# Altium PCB Fornello.PcbDoc (part 2 of 2)
Units mm, origin at the board's own origin, x right, y up, seen from the top; angles counter-clockwise.
Board outline 100.06 x 100.02 mm, 2 copper layers (Top Layer, Bottom Layer); 286 components, 164 nets, 810 pads, 343 vias.
Unrouted connection lines stored in the file: 100.
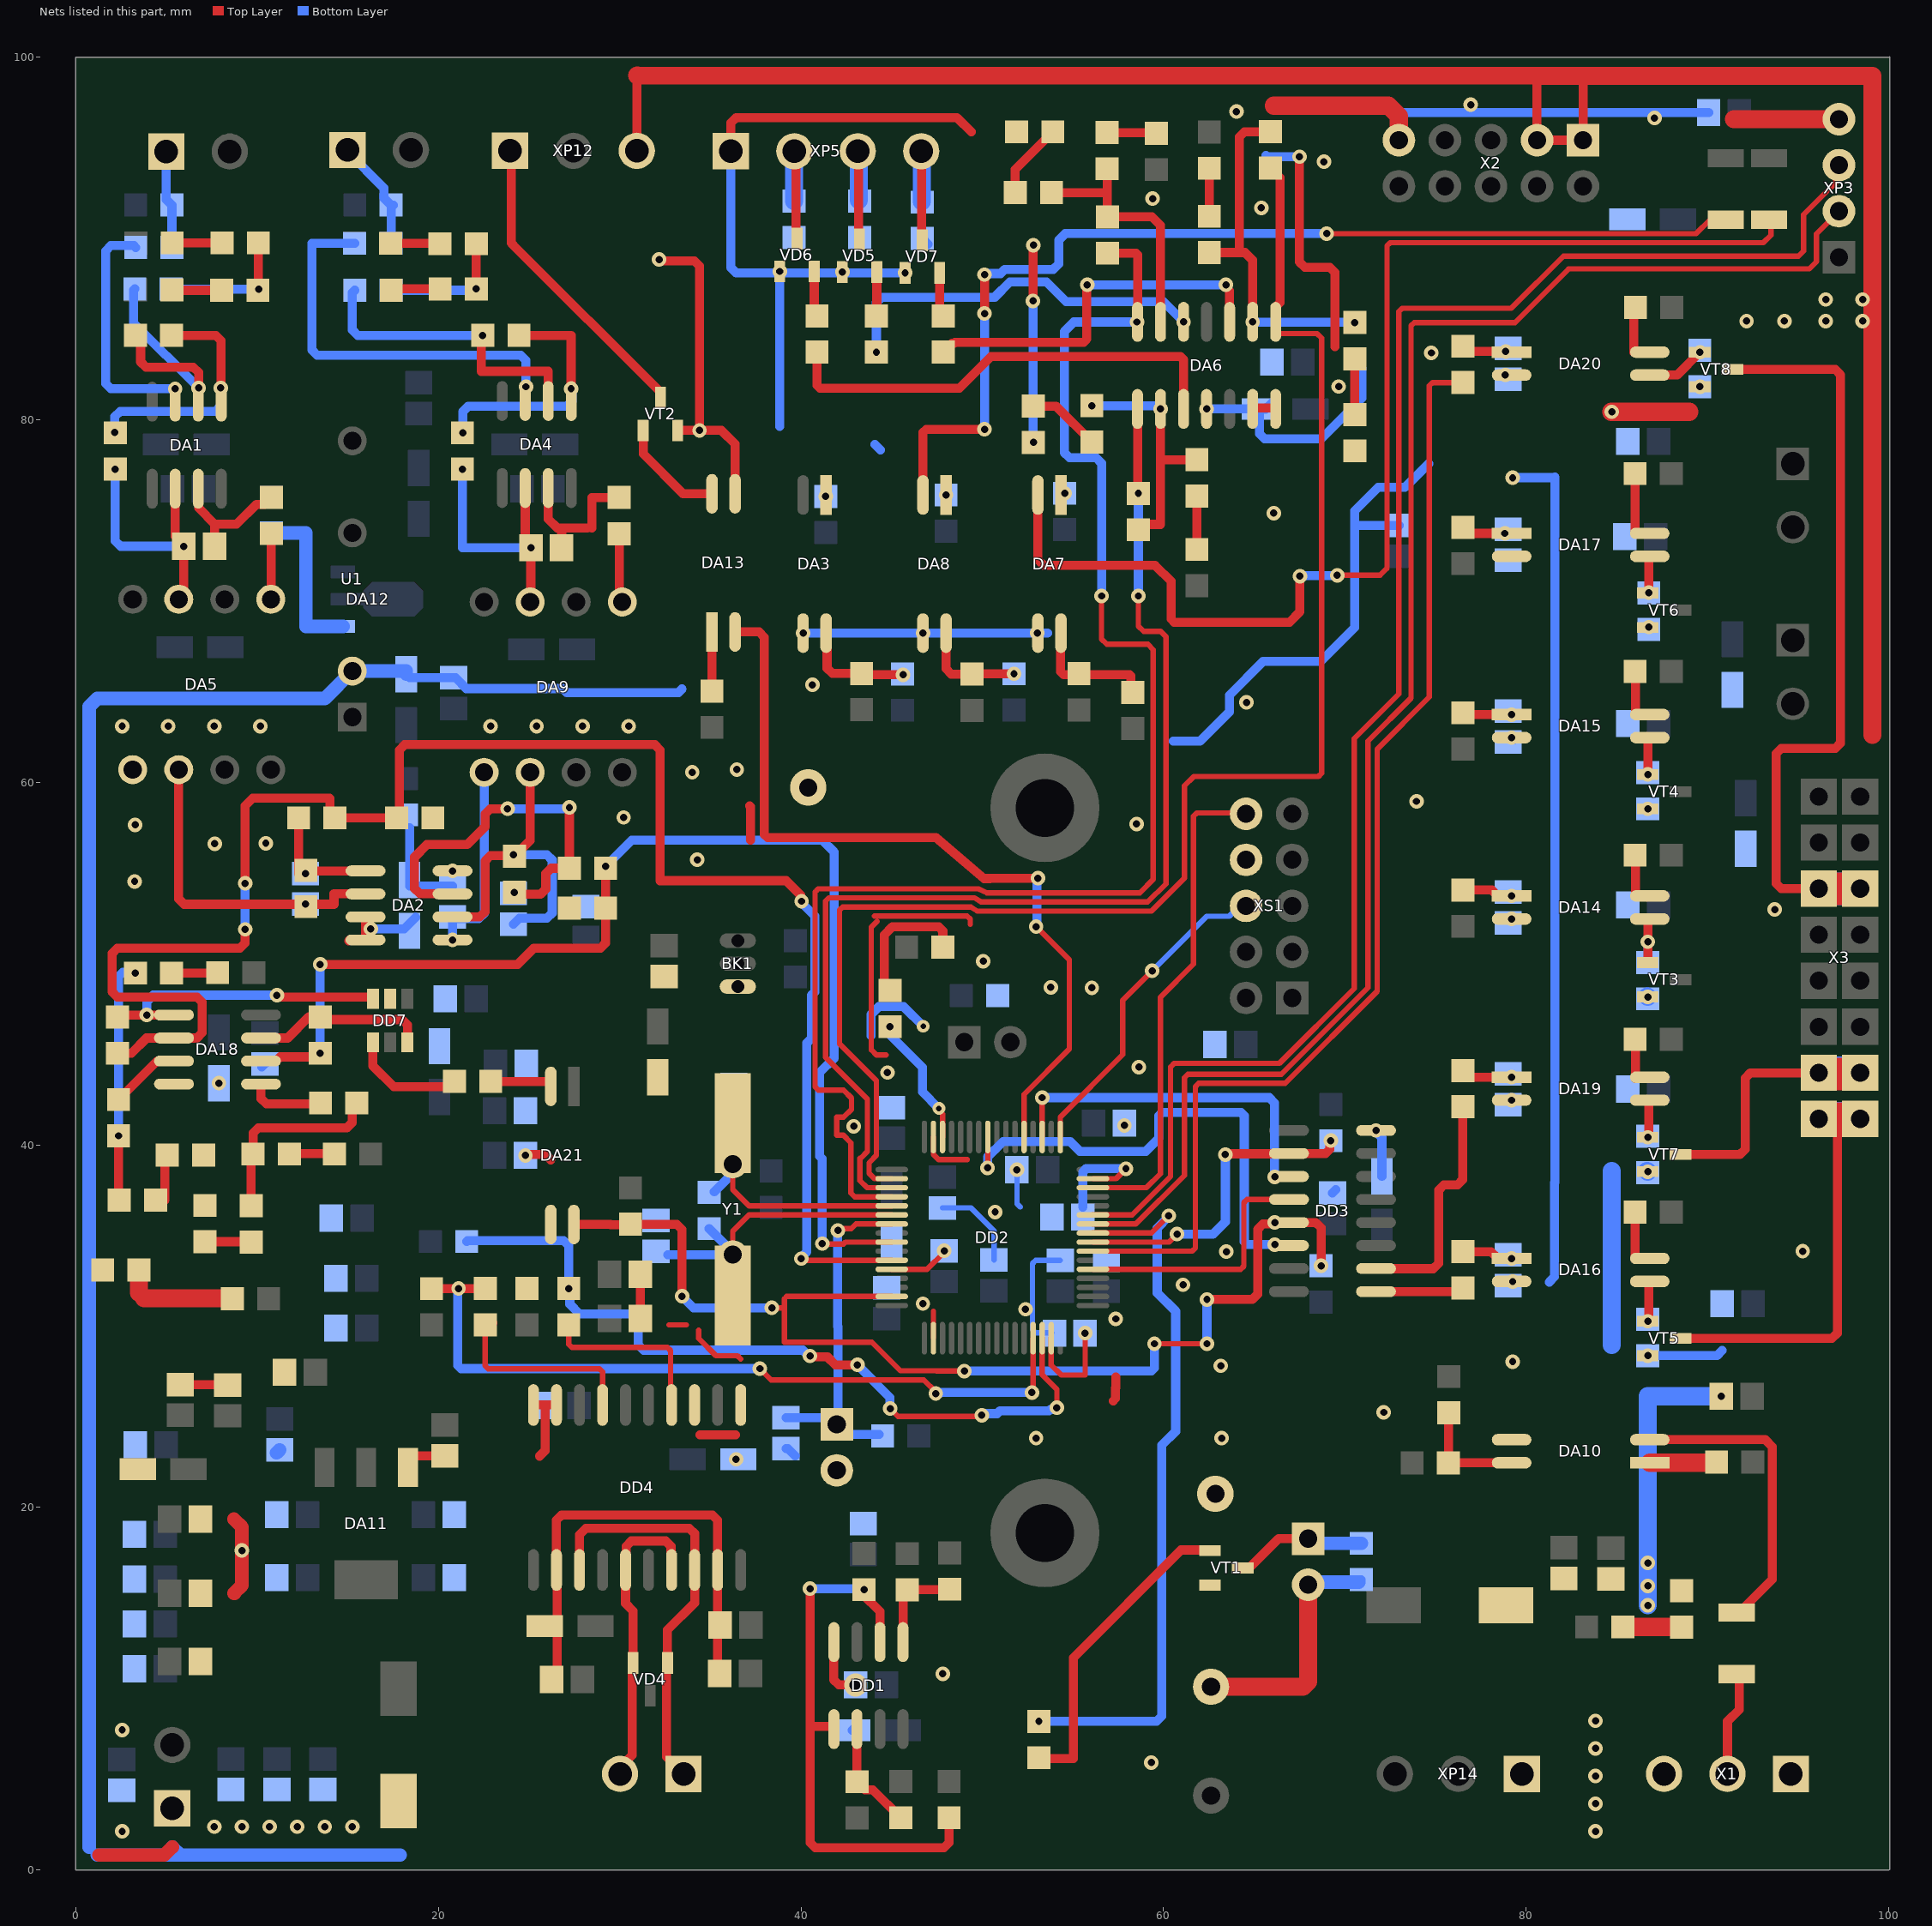
[diagram p2: the nets of this part, all layers, seen from the top]

## Via types
v1: diameter 0.8, hole 0.4, Top Layer to Bottom Layer, tented both sides, 184 vias
v2: diameter 0.8, hole 0.4, Top Layer to Bottom Layer, 148 vias
v3: diameter 1.27, hole 0.711, Top Layer to Bottom Layer, 3 vias
v4: diameter 1, hole 0.5, Top Layer to Bottom Layer, tented both sides, 3 vias
v5: diameter 2, hole 1, Top Layer to Bottom Layer, 1 vias
v6: diameter 0.7, hole 0.3, Top Layer to Bottom Layer, 1 vias
v7: diameter 2, hole 1, Top Layer to Bottom Layer, tented bottom, 1 vias
v8: diameter 0.7, hole 0.3, Top Layer to Bottom Layer, tented both sides, 1 vias
v9: diameter 1.5, hole 0.8, Top Layer to Bottom Layer, 1 vias

## Nets (pads, with @x,y where several pads share a name; then routed paths per layer and width w, separated by ;. In a path a pad name is that pad's centre, name@x,y a point inside that pad or via, vN(x,y) a via of type N, cw(c..) or ccw(c..) an arc to the next point about the centre after c; other vN are vias at no path point) (continued)
GND: BK1.1 C3.2 C5.2 C6.2 C7.2 C8.2 C11.2 C13.2 C14.2 C15.2 C16.2 C17.2 C18.1 C19.2 C20.2 C21.2 C22.2 C23.2 C24.1 C25.2 C26.1 C27.2 C32.2 C33.2 C36.1 C37.1 C38.1 C39.1 C40.1 C41.1 C42.1 C43.1 C44.1 C45.2 C46.2 C47.2 C48.2 C49.2 C50.2 C51.2 C52.2 C53.2 C58.2 C59.2 C60.2 C65.2 C66.2 C67.2 C68.2 C69.2 C78.1 C79.1 C80.1 C81.1 C82.1 C83.1 C84.1 C85.1 C86.1 C87.1 C88.1 C89.1 C90.1 C91.1 C92.1 C93.1 C94.1 C95.1 C96.1 C97.2 C98.2 C99.2 C101.2 C119.2 C120.2 C121.2 C123.2 DA2.3 DA2.4 DA2.5 DA3.3 DA5.5 DA6.11 DA7.3 DA8.3 DA9.5 DA10.3 DA11.1 DA14.2 DA15.2 DA16.2 DA17.2 DA18.4 DA19.2 DA20.2 DA21.3 DD1.4 DD2.12 DD2.18 DD2.63 DD3.8 DD4.1 DD4.3 DD4.9 DD4.10 DD7.2 pad.2 pad.3 R25.1 R31.1 R48.1 R51.1 R68.2 R87.1 R96.2 R98.1 R106.1 R107.1 R108.1 R114.1 R115.1 U1.2 VD5.1 VD6.1 VD7.1 VT1.2 X2.9 XP3.4 XP5.1 XP6.2 XP13.1 XS1.8 | length 411.6
  Top Layer w0.3: C65.2@31.131,30.178 C65.2@31.232,30.076 ; 32.733,30.076 33.667,30.076 ; 34.357,29.771 34.357,29.336 35.318,28.374 36.499,28.374 36.675,28.198 ; 44.059,52.631 49.167,52.631 49.343,52.455 49.343,52.174 ; 44.192,52.334 43.882,52.024 43.882,45.24 44.161,44.96 44.694,44.96 ; DD2.12@45.008,33.141 46.956,33.141 47.904,34.089 v1(47.904,34.165) ; DD2.18@47.308,29.341 47.308,30.827 ; DD2.63@47.308,40.441 47.308,39.472 47.589,39.191 49.176,39.191
  Top Layer w0.5: C78.1@5.756,26.786 5.769,26.773 8.36,26.773 C79.1@8.372,26.76 ; R98.1@7.045,36.747 R98.1@7.128,36.664 ; v1@7.842,43.36 v1(7.89,43.408) ; DA2.4@15.063,51.264 15.09,51.291 15.961,51.291 DA2.4@15.98,51.31 DA2.3@15.98,52.58 ; DA11.1@18.316,22.204 18.316,22.551 18.616,22.851 C80.1@20.361,22.851 C80.1@20.375,22.837 ; R68.2@24.842,32.118 R68.2@24.882,32.078 ; v2@24.842,39.383 v2(24.802,39.423) 24.853,39.474 25.91,39.474 26.203,39.181 ; DD4.10@25.245,25.654 25.88,25.654 ; 25.587,22.837 25.88,23.13 25.88,25.654 ; DD4.9@26.515,25.654 25.88,25.654 ; R51.1@26.934,52.772 R51.1@27.227,53.065 ; C65.2@31.131,30.178 31.131,32.794 C59.2@31.436,33.099 ; C33.2@32.452,49.292 C33.2@32.552,49.292 ; DD4.3@34.123,25.642 DD4.3@34.135,25.654 ; 34.424,24.005 36.382,24.005 ; XP5.1@36.135,94.821 36.135,96.382 36.428,96.675 48.606,96.675 49.393,95.887 ; DD4.1@36.656,25.635 DD4.1@36.675,25.654 ; 37.176,58.702 37.227,58.651 37.227,56.806 ; DD1.4@41.82,12.577 41.801,12.558 41.801,11.008 41.799,11.006 41.799,10.506 42.092,10.213 v3(43.018,10.213) ; v2(52.797,86.566) 52.81,86.578 52.81,89.626 v2(52.822,89.639) ; 57.227,25.879 57.357,26.01 57.357,26.593 57.369,26.604 57.369,27.206 ; v2(67.504,94.516) 67.504,88.713 67.796,88.42 69.167,88.42 69.459,88.127 69.459,84.037 ; v1(78.857,82.476) 79.195,82.476 DA20.2@79.264,82.407 ; DA10.3@79.206,23.739 DA10.3@79.264,23.797
  Top Layer w0.75: 1.268,0.829 4.876,0.829 5.316,1.268 ; 8.72,19.357 9.16,18.918 v1(9.16,17.63) 9.16,15.707 8.72,15.268 8.753,15.268 ; U1.2@15.23,66.144 U1.2@15.25,66.144 ; C101.2@17.645,3.66 C101.2@17.796,3.811 C101.2@17.822,3.838
  Top Layer w1: 66.081,97.335 72.4,97.335 72.986,96.749 X2.9@72.986,95.427 ; 91.464,96.591 XP3.4@97.268,96.591
  Bottom Layer w0.3: C19.2@47.802,36.529 49.375,36.529 50.647,35.258 C21.2@50.647,33.657 ; v1(51.919,38.636) 51.919,36.754 52.095,36.578 ; C15.2@53.837,29.644 52.946,29.644 52.77,29.82 52.77,33.454 52.946,33.63 C22.2@54.305,33.63
  Bottom Layer w0.5: C120.2@10.264,44.3 C120.2@10.43,44.466 ; v2(16.272,51.92) 18.11,51.92 C23.2@18.755,52.565 ; C27.2@18.228,65.966 18.419,65.775 20.944,65.775 21.544,65.175 26.872,65.175 27.085,64.961 33.25,64.961 33.442,65.153 ; C24.1@20.765,52.565 C24.1@20.78,52.58 ; v1(20.78,51.31) 20.78,52.479 22.231,52.479 22.524,52.772 DA9.5@22.524,60.556 ; XP5.1@36.135,94.821 36.135,88.403 36.428,88.111 v2@38.832,88.111 ; 38.831,79.635 38.832,79.636 v2@38.832,88.111 ; v2(38.832,88.191) v2@38.832,88.111 ; C17.2@39.173,23.257 39.273,23.257 C17.2@39.673,22.857 ; v2(40.119,68.237) 40.131,68.249 v2(53.039,68.249) 53.6,68.249 ; C3.2@42.831,7.71 C3.2@43.018,7.897 ; 43.856,46.025 43.856,47.183 44.301,47.627 45.667,47.627 v6(46.746,46.549) ; 44.085,78.641 44.39,78.336 ; v2(45.746,88.111) v2@38.832,88.111 ; R114.1@46.696,90.011 R114.1@47.01,89.696 ; C18.1@47.853,34.216 v1(47.904,34.165) ; v2@52.765,89.696 v2(52.822,89.639) ; v2(52.797,86.566) 52.81,86.553 52.81,78.771 v2(52.822,78.758) ; 60.551,62.269 62.002,62.269 63.633,63.899 63.633,64.81 65.498,66.676 68.686,66.676 70.552,68.542 70.552,74.982 71.854,76.285 73.323,76.285 74.626,77.587 ; v2(62.378,80.606) 62.383,80.601 65.309,80.601 C7.2@65.313,80.597 ; XS1.8@64.405,55.882 XS1.8@64.557,55.73 ; 65.649,94.592 65.726,94.516 v2(67.504,94.516) ; C7.2@65.981,80.947 65.631,80.597 C7.2@65.313,80.597 ; C6.2@69.325,37.357 C6.2@69.512,37.544 ; 70.806,74.17 70.817,74.182 C88.1@73,74.182 ; 70.956,82.828 70.956,81.203 68.707,78.954 65.587,78.954 65.294,79.247 65.294,80.577 C7.2@65.313,80.597 ; v2(71.725,40.802) 71.725,40.72 72.048,40.397 C5.2@72.048,38.276 ; X2.9@72.986,95.427 72.986,96.661 73.279,96.954 C85.1@90.072,96.954 ; C67.2@78.832,72.443 C67.2@78.908,72.519 ; v1(79.206,42.469) C68.2@79.208,42.471 ; v1(79.206,52.469) C52.2@79.272,52.403 ; v1(79.206,62.469) C53.2@79.315,62.359 ; v1(79.264,32.464) C66.2@79.289,32.438 ; v1(79.264,76.812) 81.575,76.812 81.601,76.837 81.601,62.369 81.601,37.931 81.575,37.906 81.575,32.731 81.282,32.438
  Bottom Layer w0.75: 0.741,1.268 0.741,64.188 1.18,64.628 13.733,64.628 U1.2@15.25,66.144 18.228,66.144 C27.2@18.228,65.966 ; 1.18,0.829 5.755,0.829 ; 5.316,1.268 5.755,0.829 ; C25.2@11.078,23.017 C25.2@11.243,23.181 ; 17.897,0.829 5.755,0.829
  other v1: 2.556,2.136 7.636,2.39 9.16,2.39 10.684,2.39 12.208,2.39 13.732,2.39 15.256,2.39 2.556,7.724 36.419,22.659 79.264,28.044 3.242,54.536 3.267,57.66 30.216,58.067 2.556,63.096 5.096,63.096 7.636,63.096 10.176,63.096 22.876,63.096 25.416,63.096 27.956,63.096 30.496,63.096
  other v2: 59.325,5.928 47.819,10.823 52.975,23.828 63.211,23.828 72.152,25.25 63.16,27.815 57.369,30.406 52.391,30.94 46.726,31.244 61.077,32.286 63.465,34.115 50.714,36.299 42.912,41.029 57.845,41.076 44.771,43.995 58.639,44.3 56.048,48.669 53.788,48.694 50.054,50.142 34.28,55.73 7.661,56.619 10.481,56.644 58.512,57.711 73.955,58.956 34.001,60.556 36.465,60.708 64.583,64.417 40.63,65.382 46.735,68.237 66.081,74.856 69.663,81.841 74.776,83.695 42.285,88.161 65.395,91.696 59.401,92.204 87.087,96.649 64.024,97.005 76.952,97.386
  other v5: 62.865,20.752
  other v7: 40.402,59.718
GND12V: C107.2 C108.2 C109.2 C110.2 C111.2 C112.2 C113.2 C114.2 C115.2 C116.2 C117.2 C118.2 DA13.3 R66.1 R67.1 R74.1 R75.1 R88.1 R89.1 R99.2 VT2.2 VT3.2 VT4.2 VT5.2 VT6.2 VT7.2 VT8.2 X1.1 X1.3 X2.1 X2.3 XP12.3 XP14.1 | length 173.7
  Top Layer w0.5: XP12.3@30.946,94.842 30.946,98.97 30.978,99.002 ; v2(32.172,88.852) 32.23,88.794 32.442,88.794 32.461,88.775 34.112,88.775 34.405,88.483 v2(34.405,79.417) ; VT2.2@33.198,79.417 v2(34.405,79.417) ; DA13.3@36.363,75.923 36.363,78.666 35.612,79.417 v2(34.405,79.417) ; 80.788,98.981 80.606,98.799 X2.3@80.606,95.427 X2.1@83.146,95.427 83.146,98.866 83.259,98.98
  Top Layer w1: 30.978,99.002 80.788,98.981 83.259,98.98 99.101,98.973 99.101,62.613 ; C118.2@78.894,14.604 79.266,14.604 C118.2@79.766,14.104 ; C109.2@82.025,16.015 C109.2@82.093,16.082 ; C110.2@84.684,16.069 C110.2@84.735,16.018 ; v1@84.709,80.444 v1(84.735,80.444) 89.005,80.444
  Bottom Layer w0.5: X2.3@80.606,95.427 X2.1@83.146,95.427 ; v1(86.716,28.374) 90.526,28.374 90.819,28.667
  Bottom Layer w1: XP14.1@79.766,5.304 XP14.1@79.807,5.345 ; 84.725,28.96 84.725,38.561 ; R88.1@86.679,38.561 v1(86.716,38.524) ; R66.1@86.695,48.186 v1(86.716,48.166) ; v1(86.716,14.604) v1(86.716,15.674) v1(86.716,16.944) 86.716,26.139 v1(90.768,26.139)
  other v1: 83.836,2.136 83.836,3.66 83.836,5.184 83.836,6.708 83.836,8.232 86.716,58.539 86.771,68.572 89.591,81.831 92.167,85.448 94.25,85.448 96.536,85.448 98.568,85.448 96.536,86.642 98.568,86.642
  other v2: 95.266,34.14 93.716,52.987 68.85,94.236
Gr_rl: VT5.3 X3.1 X3.2 | length 25
  Top Layer w0.5: VT5.3@88.516,29.324 96.878,29.324 97.171,29.617 97.171,41.252
  Top Layer w1.8: X3.1@96.148,41.44 X3.2@98.434,41.44
  Bottom Layer w1.8: X3.1@96.173,41.465 X3.2@98.459,41.465
Grill: DD3.1 R71.1 | length 4.4
  Top Layer w0.5: DD3.1@72.101,31.912 R71.1@76.516,31.912
Idown: R107.2 VD6.3 XP5.2 | length 7.7
  Top Layer w0.5: XP5.2@39.635,94.821 39.732,94.723 39.732,90.041 VD6.3@39.782,89.991
  Bottom Layer w0.5: R107.2@39.616,92.061 R107.2@39.625,92.071 ; XP5.2@39.625,94.811 XP5.2@39.635,94.821
  Bottom Layer w1: R107.2@39.625,92.071 XP5.2@39.625,94.811
Igrl: R106.2 VD5.3 XP5.3 | length 7.7
  Top Layer w0.5: XP5.3@43.135,94.821 43.185,94.771 43.185,90.011 VD5.3@43.235,89.961
  Bottom Layer w0.5: XP5.3@43.135,94.821 XP5.3@43.185,94.771 ; R106.2@43.185,92.111 R106.2@43.235,92.061
  Bottom Layer w1: R106.2@43.185,92.111 XP5.3@43.185,94.771
Iodown: DA6.8 DD2.3 R102.2 | length 65
  Top Layer w0.3: 43.258,39.261 43.258,38.041 43.658,37.641 DD2.3@45.008,37.641 ; 43.291,39.261 43.662,39.632 43.662,42.539 41.367,44.833 41.367,53.455 41.455,53.543 41.543,53.631 49.581,53.631 49.936,53.401 50.053,53.401 59.13,53.401 60.138,54.409 60.138,68.036 59.845,68.328 58.906,68.328 58.614,68.621 v2(58.614,70.284)
  Top Layer w0.5: R102.2@58.568,75.942 DA6.8@58.568,80.606
  Bottom Layer w0.5: v2@58.614,70.462 v2(58.614,75.942)
Iogrl: DA6.7 DD2.4 R12.2 | length 84.8
  Top Layer w0.3: DD2.4@45.008,37.141 42.967,37.141 42.758,37.349 42.758,40.122 42.339,40.541 41.977,40.541 41.977,41.529 42.35,41.529 42.789,41.968 42.789,42.589 42.35,43.029 40.959,43.029 40.783,43.204 40.783,53.955 40.871,54.043 40.959,54.131 49.788,54.131 50.26,53.901 58.69,53.901 59.438,54.649 59.438,67.324 59.145,67.617 56.874,67.617 56.582,67.91 v2(56.582,70.284)
  Top Layer w0.5: R12.2@56.912,89.198 58.477,89.198 58.568,89.107 DA6.7@58.568,85.406
  Bottom Layer w0.5: v2(56.582,70.284) 56.582,77.611 56.289,77.904 54.817,77.904 54.524,78.197 54.524,84.864 55.059,85.398 v2(58.537,85.398)
Ioright: DA6.1 DD2.2 R110.2 | length 85.7
  Top Layer w0.3: 43.758,39.017 43.758,38.434 44.051,38.141 DD2.2@45.008,38.141 ; 43.791,39.054 44.162,39.425 44.162,43.544 42.129,45.576 42.129,52.955 42.217,53.043 42.305,53.131 49.374,53.131 49.729,52.901 59.337,52.901 61.159,54.723 61.159,59.811 61.675,60.327 68.547,60.327 68.723,60.503 68.723,84.508 68.468,84.763 66.327,84.763 66.188,84.902 DA6.1@66.188,85.406
  Top Layer w0.5: R110.2@65.903,93.897 66.437,93.363 66.437,86.481 66.188,86.233 DA6.1@66.188,85.406
Iright: R114.2 VD7.3 XP5.4 | length 7.8
  Top Layer w0.5: XP5.4@46.635,94.821 46.665,94.79 46.665,89.941 VD7.3@46.696,89.911
  Bottom Layer w0.5: XP5.4@46.635,94.821 XP5.4@46.665,94.79 ; R114.2@46.665,92.041 R114.2@46.696,92.011
  Bottom Layer w1: R114.2@46.665,92.041 XP5.4@46.665,94.79
latch: DD2.37 DD3.12 | length 14.5
  Top Layer w0.3: DD2.37@56.108,33.141 64.254,33.141 64.43,33.317 64.43,36.816 64.606,36.992 DD3.12@66.925,36.992
Led: DD2.62 HL1.2 | length 7.3
  Top Layer w0.3: v8(47.608,42.014) 47.608,41.906 47.808,41.706 DD2.62@47.808,40.441
  Bottom Layer w0.5: v2(44.914,46.526) 44.971,46.468 44.971,46.004 46.701,44.275 46.701,42.921 v8(47.608,42.014)
Light: DD2.39 R83.1 | length 63.4
  Top Layer w0.3: DD2.39@56.108,34.141 61.587,34.141 61.763,34.317 61.763,43.227 61.939,43.403 66.712,43.403 71.788,48.479 71.788,61.837 74.666,64.715 74.666,81.885 74.842,82.06 R83.1@76.516,82.06
Lt_rl: VT8.3 X3.11 X3.12 | length 44.5
  Top Layer w0.5: VT8.3@91.329,82.731 91.379,82.781 VT8.3@91.391,82.781 97.056,82.781 97.349,82.488 97.349,62.17 97.056,61.877 94.085,61.877 93.793,61.584 93.793,54.433 94.085,54.14 X3.11@96.148,54.14
  Top Layer w1.8: X3.11@96.148,54.14 X3.12@98.434,54.14
  Bottom Layer w1.8: X3.11@96.148,54.14 X3.12@98.434,54.14
Mode: DA18.6 DD2.9 R45.2 R51.2 R93.1 | length 68.2
  Top Layer w0.3: v2(41.178,34.558) 41.203,34.533 42.351,34.533 42.46,34.641 DD2.9@45.008,34.641
  Top Layer w0.5: DA18.6@10.214,44.63 11.041,44.63 11.269,44.859 13.275,44.859 v1(13.478,45.062) ; v1@13.351,49.964 v1(13.478,49.964) 24.374,49.964 25.264,50.854 28.934,50.854 29.227,51.147 R51.2@29.227,53.065 R45.2@29.227,55.265
  Bottom Layer w0.5: v1@13.351,49.964 13.351,49.883 13.478,49.756 v1(13.478,45.062) ; v1(29.226,55.374) 30.674,56.822 41.164,56.822 41.824,56.162 41.824,44.786 41.028,43.99 41.028,39.39 41.178,39.24 v2(41.178,34.558)
modeIn: R36.1 R49.1 XP2.1 | length 6.2
  Bottom Layer w0.5: XP2.1@14.982,94.804 17.004,92.781 17.004,92.234 R36.1@17.389,91.849 ; R49.1@17.383,89.741 17.389,89.747 R36.1@17.389,91.849 ; R36.1@17.522,91.849 R36.1@17.389,91.849
MOSI: DD2.57 DD3.14 | length 27.4
  Top Layer w0.3: v1(50.292,38.737) 50.308,38.754 DD2.57@50.308,40.441
  Bottom Layer w0.5: v1(50.292,38.737) 50.308,38.754 50.308,39.347 51.146,40.185 54.854,40.185 55.388,39.652 59.02,39.652 59.731,40.363 59.731,41.61 59.907,41.785 64.28,41.785 64.456,41.61 64.456,34.677 64.631,34.501 v1(66.144,34.501)
MR: DD2.40 DD3.10 R84.1 | length 17.9
  Top Layer w0.3: DD2.40@56.108,34.641 60.309,34.641 v2(60.747,35.08)
  Top Layer w0.5: v2(63.414,39.474) 63.453,39.512 66.906,39.512 DD3.10@66.925,39.532 68.938,39.532 69.173,39.767 69.173,40.179 v2(69.231,40.236)
  Bottom Layer w0.5: v2(60.747,35.08) 62.73,35.08 63.414,35.764 v2(63.414,39.474)
NetC2_1: C2.1 DA2.2 DA5.6 R10.1 | length 18.1
  Top Layer w0.5: DA5.6@5.676,60.704 5.676,53.573 5.969,53.28 v1(12.665,53.28) 14.24,53.28 14.24,53.85 DA2.2@15.98,53.85
NetC2_2: C2.2 DA2.1 R10.2 R21.1 | length 6.9
  Top Layer w0.5: R21.1@12.291,58.041 12.291,54.98 v1(12.665,54.98) 12.665,55.12 DA2.1@15.98,55.12
NetC4_1: C4.1 DA1.6 DA5.3 R16.2 | length 14.3
  Top Layer w0.5: DA1.6@5.481,76.204 5.481,73.594 5.948,73.127 v1(5.948,73.027) 5.948,70.671 5.676,70.4 DA5.3@5.676,70.102
  Bottom Layer w0.5: v1(2.175,77.285) 2.175,73.32 2.468,73.027 v1(5.948,73.027)
NetC4_2: C4.2 DA1.7 R17.1 | length 8.3
  Top Layer w0.5: DA1.7@6.751,76.204 6.77,76.185 6.77,75.138 7.661,74.247 ; C4.2@8.048,73.527 C4.2@7.661,73.141 ; 9.056,74.436 8.867,74.247 ; R17.1@10.785,75.729 10.4,75.344 9.964,75.344 8.867,74.247 ; C4.2@7.648,73.027 7.661,73.027 C4.2@7.661,73.041 ; C4.2@7.648,73.027 7.648,73.127 C4.2@7.661,73.141 ; C4.2@7.648,73.027 C4.2@7.661,73.041 ; C4.2@7.661,73.041 C4.2@7.661,73.141 ; C4.2@7.661,73.141 7.661,74.247 ; 7.661,74.247 8.867,74.247
NetC10_1: C10.1 DA2.6 DA9.6 R38.1 | length 19.1
  Top Layer w0.5: DA2.6@20.78,52.631 DA2.6@20.78,52.58 22.278,52.58 22.571,52.873 22.571,55.666 22.864,55.959 24.171,55.959 R38.1@24.197,55.933 25.064,56.8 DA9.6@25.064,60.556
  Bottom Layer w0.5: C10.1@24.146,52.174 24.476,52.504 25.987,52.504 26.279,52.797 26.279,55.717 25.987,56.009 v1(24.146,56.009)
NetC10_2: C10.2 DA2.7 R38.2 R45.1 | length 21.6
  Top Layer w0.5: DA2.7@20.78,53.862 DA2.7@20.78,53.85 18.978,53.85 18.685,54.143 18.685,55.882 19.371,56.568 21.58,56.568 22.571,57.559 22.571,58.257 22.864,58.549 v1(23.816,58.549) ; v1(24.197,53.933) 24.305,53.825 25.631,53.825 25.924,54.118 25.924,54.972 26.217,55.265 R45.1@27.227,55.265 v1(27.227,58.618)
  Bottom Layer w0.5: v1(23.816,58.549) 27.077,58.549 27.146,58.618 v1(27.227,58.618)
NetC12_1: C12.1 DA4.6 DA9.3 R42.2 | length 14.7
  Top Layer w0.5: DA4.6@24.791,76.241 24.791,72.951 v1(25.099,72.951) 25.099,69.954 DA9.3@25.064,69.954
  Bottom Layer w0.5: 21.326,72.951 v1(21.326,77.269) v1@21.453,77.269 ; 21.453,72.951 v1(25.099,72.951)
NetC12_2: C12.2 DA4.7 R43.1 | length 8.3
  Top Layer w0.5: DA4.7@26.061,76.241 26.061,74.526 26.543,74.043 26.799,74.043 ; C12.2@26.799,72.951 26.799,74.043 ; 28.21,74.043 26.799,74.043 ; 28.464,74.043 28.464,75.72 R43.1@29.962,75.72
NetC15_1: C15.1 DD2.31 | length 5.9
  Top Layer w0.3: DD2.31@53.808,29.341 53.808,27.871 54.369,27.31 55.667,27.31 ; 55.679,27.31 v2(55.679,29.619)
NetC16_1: C16.1 DD2.47 | length 6.4
  Top Layer w0.3: DD2.47@56.108,38.141 57.382,38.141 v2(57.928,38.687)
  Bottom Layer w0.5: C16.1@55.552,36.578 55.552,38.511 55.728,38.687 v2(57.928,38.687)
NetC23_1: C23.1 C24.2 DA2.8 L2.2 | length 5.7
  Top Layer w0.5: DA2.8@20.78,55.07 v1(20.78,55.12)
  Bottom Layer w0.5: 18.405,57.508 18.405,54.638 C23.1@18.405,54.615 18.405,54.28 C24.2@20.78,54.28
NetC52_1: C52.1 DA14.1 R62.2 | length 2.8
  Top Layer w0.5: R62.2@76.516,54.063 78.107,54.063 78.431,53.739 v1(79.206,53.739)
NetC53_1: C53.1 DA15.1 R63.2 | length 2.7
  Top Layer w0.5: R63.2@76.516,63.842 76.619,63.739 v1(79.206,63.739)
NetC61_1: C61.1 C62.1 C63.1 C64.1 DD4.12 DD4.19 | length 26.6
  Top Layer w0.5: C63.1@26.256,10.518 26.559,10.821 26.559,13.439 26.559,15.589 26.534,15.614 26.534,16.535 DD4.12@26.515,16.554 26.508,16.561 26.508,19.293 26.801,19.586 35.112,19.586 35.405,19.293 DD4.19@35.405,16.554 35.405,10.968 C62.1@35.525,10.848
NetC66_1: C66.1 DA16.1 R71.2 | length 2.9
  Top Layer w0.5: R71.2@76.516,34.115 78.071,34.115 78.364,33.822 78.364,33.806 78.431,33.739 v1(79.206,33.739)
NetC67_1: C67.1 DA17.1 R72.2 | length 2.5
  Top Layer w0.5: R72.2@76.516,74.069 76.846,73.739 v1(78.832,73.739)
NetC68_1: C68.1 DA19.1 R81.2 | length 2.8
  Top Layer w0.5: R81.2@76.516,44.106 76.883,43.739 v1(79.206,43.739)
NetC69_1: C69.1 DA20.1 R83.2 | length 2.5
  Top Layer w0.5: R83.2@76.521,84.06 76.809,83.772 v1(78.883,83.772)
NetDA1_1: DA1.1 R15.2 R16.1 | length 13.9
  Top Layer w0.5: R15.2@5.283,84.661 7.724,84.661 8.017,84.368 8.017,81.008 DA1.1@8.021,81.004
  Bottom Layer w0.5: v1(2.149,79.301) 2.149,80.177 2.442,80.47 7.699,80.47 7.991,80.762 v1@7.991,81.426 ; v1(7.991,81.765) v1@8.049,81.708
NetDA1_2: DA1.2 R15.1 R22.2 | length 12.8
  Top Layer w0.5: R15.1@3.283,84.661 3.572,84.372 3.572,83.201 3.865,82.908 6.479,82.908 6.772,82.615 6.772,81.896 6.77,81.894 6.77,81.767 v1(6.772,81.765)
  Bottom Layer w0.5: R22.2@3.258,87.226 3.191,87.159 3.191,85.346 v1(6.772,81.765)
NetDA1_3: DA1.3 R24.2 | length 13.1
  Bottom Layer w0.5: R24.2@3.299,89.512 3.197,89.614 1.934,89.614 1.641,89.321 1.641,82.007 1.934,81.714 v1(5.477,81.714)
NetDA3_1: DA3.1 R9.1
  other v2: 41.367,75.78
NetDA3_4: DA3.4 R2.1 R8.1 | length 6.3
  Top Layer w0.5: DA3.4@41.389,68.237 41.415,68.211 41.415,67.341 41.443,67.313 41.443,66.303 41.736,66.01 R8.1@43.348,66.01 43.418,65.941 v1(45.634,65.941)
NetDA4_1: DA4.1 R41.2 R42.1 | length 14.9
  Top Layer w0.5: R41.2@24.444,84.661 27.219,84.661 ; DA4.1@27.321,80.698 v1(27.321,81.714) 27.321,84.661
  Bottom Layer w0.5: v1(21.352,79.276) 21.352,80.456 21.645,80.749 27.074,80.749 27.367,81.042 27.367,81.668 v1(27.321,81.714)
NetDA4_2: DA4.2 R41.1 R46.2 | length 17.3
  Top Layer w0.5: v1(22.444,84.661) 22.368,84.661 22.368,82.679 26.051,82.679 DA4.2@26.051,80.724